# Altium PCB CUBE3RX.PcbDoc
Units mm, origin at the board's own origin, x right, y up, seen from the top; angles counter-clockwise.
Board outline 152.4 x 101.6 mm, 2 copper layers (Top Layer, Bottom Layer); 81 components, 98 nets, 329 pads, 130 vias.
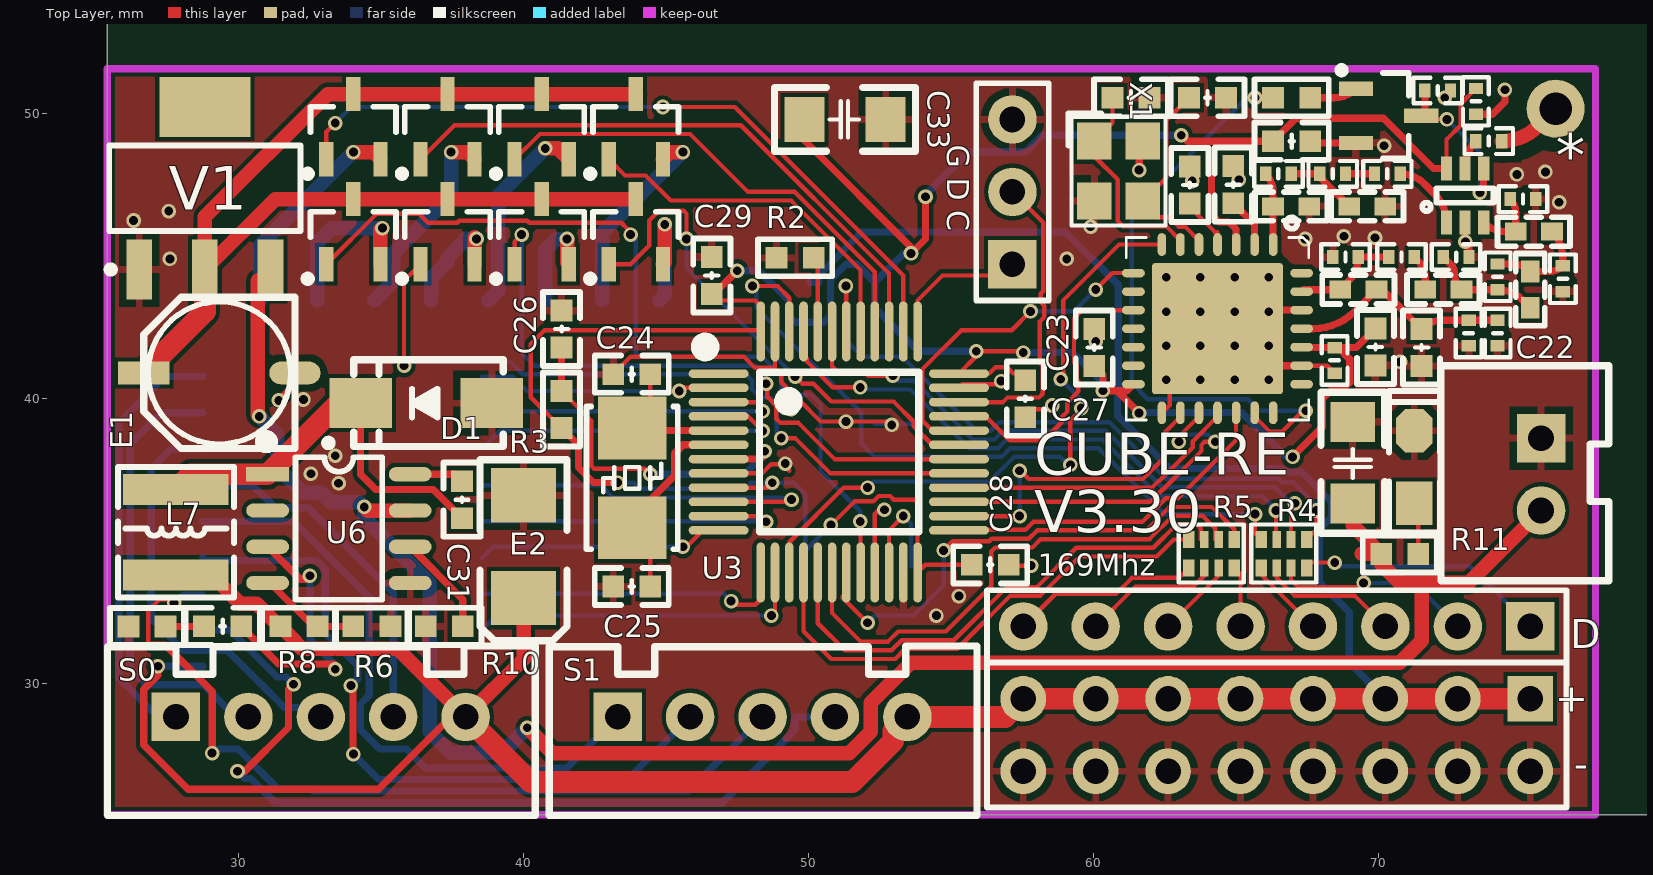
[diagram p0: Top Layer view]
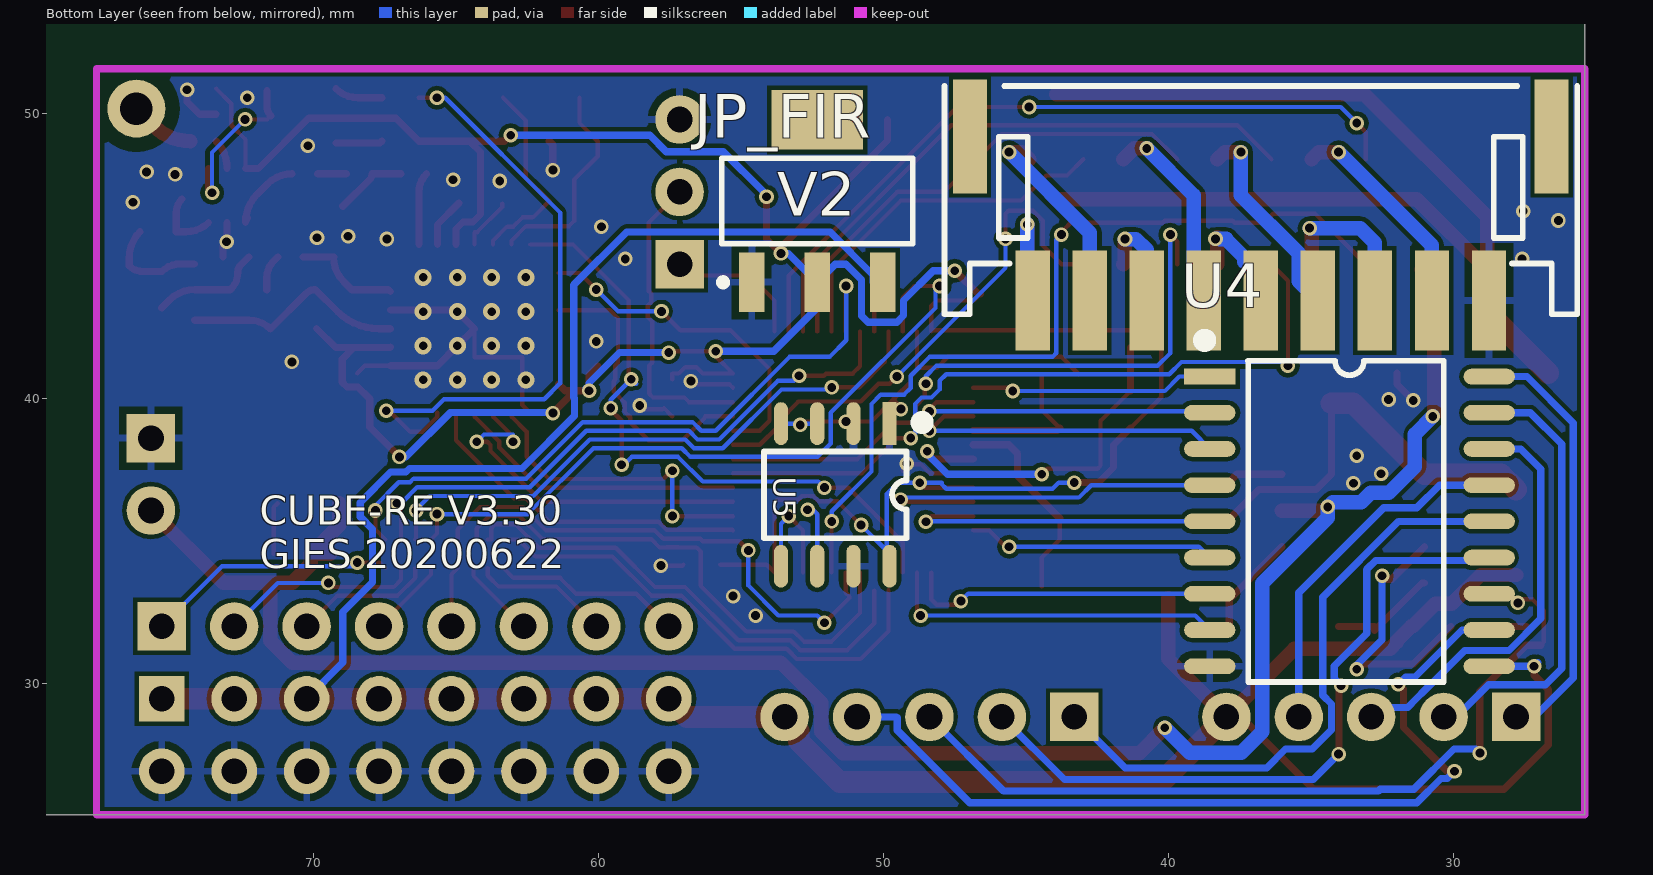
[diagram p1: Bottom Layer view, seen from below]

## Layer stack, top to bottom
Top Solder: solder mask 0.0102, Solder Resist, Dk 3.5
Top Layer: signal copper 0.0356
Dielectric 1: dielectric 0.32, FR-4, Dk 4.8
Bottom Layer: signal copper 0.0356
Bottom Solder: solder mask 0.0102, Solder Resist, Dk 3.5

## Board outline
25.4,25.4 177.8,25.4 177.8,127 25.4,127

## Design rules (kind name [scope] priority, off if disabled: settings)
Clearance Clearance_1 [InPoly vs InNet('NetA_1')] p1: gap=0.508 ignorepadtopadclearanceinfootprint=FALSE
Clearance [All] p2: gap=0.152 ignorepadtopadclearanceinfootprint=FALSE
PolygonConnect PolygonConnect_1 [IsVia] p1: connectstyle=Direct reliefconductorwidth=0.254 reliefentries=4 polygonreliefangle="90 Angle" airgapwidth=0.254
PolygonConnect [All] p2: connectstyle=Relief reliefconductorwidth=0.254 reliefentries=4 polygonreliefangle="90 Angle" airgapwidth=0.254
RoutingVias [All] p1: holewidth=0.711 width=1.27 viastyle="Through Hole" minholewidth=0.711 minwidth=1.27 maxholewidth=0.711 maxwidth=1.27
SolderMaskExpansion [All] p1: expansion=0.102
Width [All] p1: maxlimit=0.762 minlimit=0.152 preferedwidth=0.254 minimp=50.000000 maximp=50.000000 favimp=50.000000
30 further rules are at their usual default settings.

## Components (designator, comment, footprint, x,y, rotation, side; value= is the part's Value field where it differs from the comment)
* "ANT" R100 76.2,50.165 r0 top
C1 "27p" "C 0603_L" 61.312,50.546 r180 top
C2 "27p" "C 0603_L" 63.993,50.546 r180 top
C3 "104" "C 0603_L" 66.944,49.022 r180 top
C4 "104" "C 0603_L" 64.897,47.498 r270 top
C5 "104" "C 0603_L" 63.373,47.483 r270 top
C6 "5.6p" "C 0402_L" 66.479,47.879 r0 top
C7 "12p" "C 0402_L" 68.384,47.879 r0 top
C8 "102" "C 0402_L" 70.3,47.879 r0 top
C9 "102" "C 0402_L" 73.406,50.419 r90 top
C10 "102" "C 0402_L" 73.856,49.022 r0 top
C11 "102" "C 0402_L" 72.067,50.8 r180 top
C12 "27p" "C 0402_L" 75.057,46.99 r180 top
C13 "4.7p" "C 0402_L" 74.168,44.265 r270 top
C14 "27p" "C 0402_L" 70.797,44.958 r180 top
C15 "27p" "C 0402_L" 68.834,44.958 r0 top
C16 "47p" "C 0402_L" 76.454,44.196 r90 top
C17 "47p" "C 0402_L" 72.713,44.958 r180 top
C18 "47p" "C 0402_L" 68.453,41.333 r90 top
C19 "104" "C 0603_L" 69.883,41.804 r90 top
C20 "103" "C 0603_L" 71.501,41.783 r90 top
C21 "221" "C 0402_L" 73.152,42.291 r90 top
C22 "47p" "C 0402_L" 74.168,42.291 r90 top
C23 "104" "C 0603_L" 60.022,41.783 r270 top
C24 "22p" "C 0603_L" 43.8,40.85 r0 top
C25 "22p" "C 0603_L" 43.8,33.401 r180 top
C26 "105" "C 0603_L" 41.339,42.433 r90 top
C27 "104" "C 0603_L" 57.605,39.991 r90 top
C28 "104" "C 0603_L" 56.373,34.163 r180 top
C29 "104" "C 0603_L" 46.609,44.308 r270 top
C30 "221" "C 0603_L" 29.449,32.004 r0 top
C31 "104" "C 0603_L" 37.846,36.449 r90 top
C32 "226/25V" "C 1206_L" 69.088,37.719 r90 top
C33 "47uF/6.3v" "C 1206_L" 51.255,49.784 r0 top
D "HDR-1X8" HDR2.54-LI-8P 66.421,32.004 r180 top (schematic designator SERVO_D)
D1 "SS34" SMA 36.59,39.834 r180 top
E1 "100uF/6.3V" "CM C(5*5.4)" 29.337,40.894 r180 top
E2 "100uF/10V" "CD B(3528)" 40.005,34.798 r90 top
"G D C" "HDR-1X3" HDR2.54-LI-3P 57.15,47.244 r90 top (schematic designator Debug_MCU?)
JP_FIR "HDR-1X9" PH2.0-WS-9P 36.766,49.178 r0 bottom
L1 "82nH" "L 0402" 66.929,46.736 r180 top
L2 "100nH" "L 0402" 69.596,46.736 r180 top
L3 "39nH" "L 0402" 72.263,43.815 r0 top
L4 "39nH" "L 0402" 75.311,43.815 r90 top
L5 "39nH" "L 0402" 75.438,45.847 r180 top
L6 "100nH" "L 0402" 69.284,43.815 r180 top
L7 "22uH" NR4030 27.813,35.306 r270 top
LED "红色" "LED 0805G" 71.247,37.592 r90 top
Power_IN "HDR-1X2" XH2.54-LI-2P 75.692,37.338 r270 top
Q0 "MMBT3904" SOT23-3N 70.347,49.911 r270 top
Q1 "SS8050" SOT23-3N 43.942,45.847 r0 top
Q2 "SS8050" SOT23-3N 43.942,49.53 r0 top
Q3 "SS8050" SOT23-3N 40.64,45.847 r0 top
Q4 "SS8050" SOT23-3N 40.64,49.53 r0 top
Q5 "SS8050" SOT23-3N 37.338,45.847 r0 top
Q6 "SS8050" SOT23-3N 37.338,49.53 r0 top
Q7 "SS8050" SOT23-3N 34.036,45.847 r0 top
Q8 "SS8050" SOT23-3N 34.036,49.53 r0 top
R1 "1K" "R 0603_L" 66.944,50.546 r0 top
R2 "10k" "R 0603_L" 49.53,44.933 r180 top
R3 "10k" "R 0603_L" 41.339,39.609 r270 top
R4 "103" RCA-8P4R-0402 66.671,34.552 r180 top
R5 "103" RCA-8P4R-0402 64.131,34.552 r180 top
R6 "40.2k" "R 0603_L" 34.686,32.004 r180 top
R8 "210k" "R 0603_L" 32.131,32.004 r180 top
R9 "100k" "R 0603_L" 26.797,32.004 r0 top
R10 "100k" "R 0603_L" 37.226,32.004 r180 top
R11 "2k" "R 0603_L" 70.739,34.544 r0 top
S0 "HDR-1X5" XH2.54-LI-5P 32.893,28.829 r0 top (schematic designator STEP02)
S1 "HDR-1X5" XH2.54-LI-5P 48.387,28.829 r0 top (schematic designator STEP01)
SERVO "Header 8X2" HDR2.54-LI-2x8P 66.421,28.194 r180 top
U1 "SX1278" vqfn28_6x6mm 64.344,42.447 r270 top
U2 "RF Switch" SC70-6 73.025,47.117 r90 top value=PE4259
U3 "STM32F103C8" "LQFP48 7X7_M" 51.074,38.121 r270 top
U4 "ULN2803A" SOP18W_N 33.655,35.687 r180 bottom
U5 "24C02" SOP8_L 51.689,36.616 r270 bottom
U6 "MP1584" SOP8_L 33.528,35.433 r0 top
V1 "AMS1117-3V3" SOT223_L 28.829,47.371 r90 top
V2 "AMS1117-3V3" SOT223_L 52.324,46.922 r90 bottom
X1 "32M" "OSC 3225-4P" 60.872,47.972 r270 top
X2 "8MHz" "OSC 5032-2P" 43.815,37.211 r90 top

## Footprints (in the part's own frame and the unit in brackets; to place one, negate y for a bottom-side part, rotate by r counter-clockwise, add the part's x,y. Pads: shape width x height; smd on the part's side, far side on the other; paste and mask are expansions set on the pad)
"C 0402_L" [mm] "无极性贴片电容"
  rect 0.4x0.5 smd: 1(-0.45,0) 2(0.45,0)
  silkscreen extent -0.85,-0.45 0.85,0.45, body extent -0.5,-0.26 0.5,0.26, height 0.53
"C 0603_L" [mil] "无极性贴片电容"
  rect 30x30 smd: 1(-25.59,0) 2(25.59,0)
  silkscreen extent -51,-26 51,26, body extent -31,-16 31,16, height 32
"C 1206_L" [mil] "无极性贴片电容"
  rect 55x62 smd: 1(-55.12,0) 2(57.09,0)
  silkscreen extent -96,-44 98,44, body extent -63,-32 63,32, height 48
"CD B(3528)" [mil] "长3.5mm，宽2.8mm，厚1.9mm"
  rect 75x90 smd: 1(-70.87,-0.01) 2(70.86,-0.01)
  silkscreen extent -130,-60 120,60, body extent -69,-55 69,55, height 75
"CM C(5*5.4)" [mm] "贴片电解电容，直径5mm，高5.4mm"
  rect 1.8x0.8 smd: 1(2.65,0)
  oval 1.8x0.8 smd: 2(-2.65,0)
  silkscreen extent -2.65,-2.65 2.65,2.65, body extent -2.95,-2.65 2.95,2.65, height 5.4
HDR2.54-LI-2x8P [mm] "双排排针，8x2脚"
  rect 1.6x1.6 hole 0.9: 1(-8.89,-1.27)
  round 1.6 hole 0.9: 2(-8.89,1.27) 3(-6.35,-1.27) 4(-6.35,1.27) 5(-3.81,-1.27) 6(-3.81,1.27) 7(-1.27,-1.27) 8(-1.27,1.27) 9(1.27,-1.27) 10(1.27,1.27) 11(3.81,-1.27) 12(3.81,1.27) 13(6.35,-1.27) 14(6.35,1.27) 15(8.89,-1.27) 16(8.89,1.27)
  silkscreen extent -10.16,-2.54 10.16,2.54, body extent -10.16,-2.54 10.16,2.54, height 8.5
HDR2.54-LI-3P [mm] "排针，3脚"
  rect 1.7x1.7 hole 0.9: 1(-2.54,0)
  round 1.7 hole 0.9: 2(0,0) 3(2.54,0)
  silkscreen extent -3.81,-1.27 3.81,1.27, body extent -3.81,-1.27 3.81,1.27, height 8.5
HDR2.54-LI-8P [mm] "排针，8脚"
  rect 1.7x1.7 hole 0.9: 1(-8.89,0)
  round 1.7 hole 0.9: 2(-6.35,0) 3(-3.81,0) 4(-1.27,0) 5(1.27,0) 6(3.81,0) 7(6.35,0) 8(8.89,0)
  silkscreen extent -10.16,-1.27 10.16,1.27, body extent -10.16,-1.27 10.16,1.27, height 8.5
"L 0402" [mil] "小功率贴片电感"
  rect 30x25 smd: 1(-25,0) 2(25,0)
  silkscreen extent -50,-20 50,20, body extent -20,-10 20,10, height 20
"LED 0805G" [mil] "绿色0805LED"
  rect 60x50 smd: 1(-50,0)
  oct 60x50 smd: 2(50,0)
  silkscreen extent -90,-35 105,35, body extent -39,-25 39,25, height 32
"LQFP48 7X7_M" [mm] "48脚，体宽7x7mm，脚距0.5mm"
  oval 0.3x2.1 smd: 1(-2.75,-4.227) 2(-2.25,-4.227) 3(-1.75,-4.227) 4(-1.25,-4.227) 5(-0.75,-4.227) 6(-0.25,-4.227) 7(0.25,-4.227) 8(0.75,-4.227) 9(1.25,-4.227) 10(1.75,-4.227) 11(2.25,-4.227) 12(2.75,-4.227) 25(2.75,4.202) 26(2.25,4.202) 27(1.75,4.202) 28(1.25,4.202) 29(0.75,4.202) 30(0.25,4.202) 31(-0.25,4.202) 32(-0.75,4.202) 33(-1.25,4.202) 34(-1.75,4.202) 35(-2.25,4.202) 36(-2.75,4.202)
  oval 2.1x0.3 smd: 13(4.227,-2.75) 14(4.227,-2.25) 15(4.227,-1.75) 16(4.227,-1.25) 17(4.227,-0.75) 18(4.227,-0.25) 19(4.227,0.25) 20(4.227,0.75) 21(4.227,1.25) 22(4.227,1.75) 23(4.227,2.25) 24(4.227,2.75) 37(-4.227,2.75) 38(-4.227,2.25) 39(-4.227,1.75) 40(-4.227,1.25) 41(-4.227,0.75) 42(-4.227,0.25) 43(-4.227,-0.25) 44(-4.227,-0.75) 45(-4.227,-1.25) 46(-4.227,-1.75) 47(-4.227,-2.25) 48(-4.227,-2.75)
  silkscreen extent -3.93,-4.95 2.79,2.79, body extent -4.5,-4.5 4.5,4.5, height 1.45
NR4030 [mm] "4.0mm*4.0mm*3.0mm(长*宽*高）"
  rect 1.1x3.7 smd: 1(-1.5,0) 2(1.5,0)
  silkscreen extent -2.29,-2.03 2.29,2.03, body extent -2,-2 2,2, height 3.1
"OSC 3225-4P" [mm] "3.2*2.5*0.7mm(长宽高)"
  rect 1.3x1.2 smd: 1(-1.05,-0.85) 2(1.05,-0.85) 3(1.05,0.85) 4(-1.05,0.85)
  silkscreen extent -2.03,-1.75 1.91,1.65, body extent -1.6,-1.25 1.6,1.25, height 0.7
"OSC 5032-2P" [mm] "5mm*3.2mm*0.8mm(长*宽*高)"
  rect 2.2x2.4 smd: 1(-1.75,0) 2(1.75,0)
  silkscreen extent -2.5,-1.6 2.5,1.6, body extent -2.5,-1.6 2.5,1.6, height 0.86
PH2.0-WS-9P [mm] "长：22mm，宽：7.6mm，高：5.5mm"
  rect 1.2x4 smd: 0(-10.2,-0.006) 0(10.2,-0.006)
  rect 1.2x3.5 smd: 1(-8,5.744) 2(-6,5.744) 3(-4,5.744) 4(-2,5.744) 5(0,5.744) 6(2,5.744) 7(4,5.744) 8(6,5.744) 9(8,5.744)
  silkscreen extent -11.1,-1.78 11.1,6.22, body extent -11,-1.65 11,6.95, height 5.55
R100 [mil] "R100探针焊盘"
  round 80 hole 45: 1(0,0)
"R 0603_L" [mil] "1/10W贴片电阻"
  rect 30x30 smd: 1(-25.59,0) 2(25.59,0)
  silkscreen extent -51,-26 51,26, body extent -31,-16 32,16, height 16
RCA-8P4R-0402 [mm] "2mm*1mm*0.45mm(长*宽*厚)"
  rect 0.4x0.6 smd: 1(-0.8,-0.5) 4(0.8,-0.5) 5(0.8,0.5) 8(-0.8,0.5)
  rect 0.3x0.6 smd: 2(-0.25,-0.5) 3(0.25,-0.5) 6(0.25,0.5) 7(-0.25,0.5)
  silkscreen extent -1.14,-1.02 1.15,1.01, body extent -1,-0.5 1,0.5, height 0.45
SC70-6 [mm] "SC70 6-Leads, Body 2.0x1.25mm, Pitch 0.65mm"
  rect 0.85x0.4 smd mask+0.05: 1(-0.95,0.65) 2(-0.95,0) 3(-0.95,-0.65) 4(0.95,-0.65) 5(0.95,0) 6(0.95,0.65)
  silkscreen extent -0.55,-1 0.25,1.5, body extent -0.63,-1 0.63,1, height 1.45
SMA [mm] "4.5x2.6*2.2mm（长宽高，不包括引脚）"
  rect 2.2x1.75 smd: 1(-2.3,0) 2(2.3,0)
  silkscreen extent -2.7,-1.52 3.56,1.52, body extent -2.53,-1.3 2.58,1.3, height 2.15
SOP8_L [mm] "5*6*1.8mm（长宽高）"
  rect 1.5x0.5 smd: 1(-2.5,1.905)
  oval 1.5x0.5 smd: 2(-2.5,0.635) 3(-2.5,-0.635) 4(-2.5,-1.905) 5(2.5,-1.905) 6(2.5,-0.635) 7(2.5,0.635) 8(2.5,1.905)
  silkscreen extent -2.69,-2.5 1.52,3.2, body extent -3,-2.5 3,2.5, height 1.9
SOP18W_N [mm] "11.5*10.3*2.6mm（长宽高）"
  rect 1.8x0.55 smd: 1(-4.9,5.08)
  oval 1.8x0.55 smd: 2(-4.9,3.81) 3(-4.9,2.54) 4(-4.9,1.27) 5(-4.9,0) 6(-4.9,-1.27) 7(-4.9,-2.54) 8(-4.9,-3.81) 9(-4.9,-5.08) 10(4.9,-5.08) 11(4.9,-3.81) 12(4.9,-2.54) 13(4.9,-1.27) 14(4.9,0) 15(4.9,1.27) 16(4.9,2.54) 17(4.9,3.81) 18(4.9,5.08)
  silkscreen extent -5.23,-5.64 3.3,6.5, body extent -5.15,-5.75 5.15,5.75, height 2.7
SOT23-3N [mm] "3x1.3x1mm(长宽高)"
  rect 0.5x1.2 smd: 1(-0.95,-1.143) 2(0.95,-1.143) 3(0,1.143)
  silkscreen extent -1.72,-1.78 1.5,0.7, body extent -1.5,-1.2 1.5,1.2, height 1.05
SOT223_L [mm] "SOT223, 4-Leads, Body 6.5x3.5mm, Pitch 2.3mm, Lead Span 7mm, IPC High Density"
  rect 2.1x0.9 smd: 1(-2.85,2.3) 2(-2.85,0) 3(-2.85,-2.3)
  rect 2.1x3.2 smd: 4(2.85,0)
  silkscreen extent -2.97,-3.35 1.5,3.42, body extent -1.85,-3.35 1.85,3.35, height 1.7
vqfn28_6x6mm [mm] "28 Leads, Body 6.0x6.0mm, Pitch 0.65mm, VQFN28"
  oval 0.8x0.3 smd mask+0.05: 1(-2.95,1.95) 2(-2.95,1.3) 3(-2.95,0.65) 4(-2.95,0) 5(-2.95,-0.65) 6(-2.95,-1.3) 7(-2.95,-1.95) 15(2.95,-1.95) 16(2.95,-1.3) 17(2.95,-0.65) 18(2.95,0) 19(2.95,0.65) 20(2.95,1.3) 21(2.95,1.95)
  oval 0.3x0.8 smd mask+0.05: 8(-1.95,-2.95) 9(-1.3,-2.95) 10(-0.65,-2.95) 11(0,-2.95) 12(0.65,-2.95) 13(1.3,-2.95) 14(1.95,-2.95) 22(1.95,2.95) 23(1.3,2.95) 24(0.65,2.95) 25(0,2.95) 26(-0.65,2.95) 27(-1.3,2.95) 28(-1.95,2.95)
  rrect5% 4.6x4.6 smd paste-3.3 mask+0.05: 29(0,0)
  Mechanical 15 keep-out lines w0.1: 3.5,-3.5 3.5,3.5 -3.5,3.5 -3.5,-3.5 3.5,-3.5
  silkscreen extent -3.9,-3.2 3.2,3.2, body extent -3,-3 3,3, height 1
XH2.54-LI-2P [mm] "接插件，2P"
  rect 1.7x1.7 hole 0.9: 1(-1.27,0)
  round 1.7 hole 0.9: 2(1.27,0)
  silkscreen extent -3.81,-3.51 3.74,2.37, body extent -3.77,-3.3 3.77,2.4, height 7.05
XH2.54-LI-5P [mm] "接插件，5P"
  rect 1.7x1.7 hole 0.9: 1(-5.08,0)
  round 1.7 hole 0.9: 2(-2.54,0) 3(0,0) 4(2.54,0) 5(5.08,0)
  silkscreen extent -7.48,-3.45 7.52,2.49, body extent -7.58,-3.3 7.58,2.4, height 7.03

## Part data
*: library part CS, "探针焊盘"
C1 C2 C3 C4 C5 C6 C7 C8 C9 C10 C11 C12 C13 C14 C15 C16 C17 C18 C19 C20 C21 C22 C23 C24 C25 C26 C27 C28 C29 C30 C31 C32 C33: library part C, "无极性贴片电容"
D: library part "Header 8", "8P接插件", BOM名称=8, 学习资源=www.o
D1: library part SS14, "肖特基二极管"
E1: library part C-CM, "贴片电解电容"
E2: library part C-CD, "贴片钽电容"
"G D C": library part "Header 3", "3P接插件", BOM名称=3, 学习资源=www.o
JP_FIR: library part "Header 9", "9P接插件", BOM名称=9, 学习资源=www.o
L1 L2 L3 L4 L5 L6: library part L, "小功率贴片电感"
L7: library part L-NR, "NR磁胶电感"
LED: library part LED-SMD, "贴片LED", 学习资源=www.o
Power_IN: library part "Header 2", "2P接插件", BOM名称=2, 学习资源=www.o
Q0 Q1 Q2 Q3 Q4 Q5 Q6 Q7 Q8: library part 8050-SMD, "高频放大-NPN型", BOM名称=¸, 学习资源=www.o, 属性="40V 1.5A 1W 100"
R1 R2 R3 R6 R8 R9 R10 R11: library part R, "贴片电阻"
R4 R5: library part R-8P4R, "贴片网络排阻"
S0 S1: library part "Header 5", "5P接插件", BOM名称=5, 学习资源=www.o
SERVO: "8*2P接插件"
U1: library part SX1276, "SX1276 - Low Power Integrated UHF Transceiver with loRa Modem", LatestRevisionDate="27-Jul-2009 -  Semtech"
U2: library part "PE4259 RF Switch", "PE4259 Peregrine RF Switch", LatestRevisionDate="03-Sep-2012 -  Semtech"
U3: "Flaah:64/RAM:20/IO:36", BOM名称=32λ, 学习资源=www.o
U4: "Eight Darlington Array", DatasheetDocument=Sep-1997, LatestRevisionDate=17-Jul-2002, LatestRevisionNote="Re-released for DXP Platform.", PackageReference=DIP18, Published=8-Jun-2000, Publisher="Altium Limited"
U5: library part 24Cxx, "外置EEPROM", BOM名称=Í, 学习资源=www.o
V1 V2: library part AMS1117, "三端稳压芯片", 学习资源=www.o
X1: library part XTAL-4P, "4脚无源晶振", BOM名称=4, 学习资源=www.o
X2: library part XTAL-2P, "2脚无源脚晶振", BOM名称=2, 学习资源=www.o

## Via types
v1: diameter 0.51, hole 0.31, Top Layer to Bottom Layer, 114 vias
v2: diameter 0.6, hole 0.3, Top Layer to Bottom Layer, tented top, 16 vias

## Nets (pads, with @x,y where several pads share a name; then routed paths per layer and width w, separated by ;. In a path a pad name is that pad's centre, name@x,y a point inside that pad or via, vN(x,y) a via of type N, cw(c..) or ccw(c..) an arc to the next point about the centre after c; other vN are vias at no path point)
DIO0_sx: U1.8 U3.32 | length 12
  Top Layer w0.152: U3.32 54.34,38.871 53.997,39.214 53.997,41.028 55.362,42.393 57.125,42.393 v1(57.785,43.053) ; v1(60.071,43.815) 60.653,44.397 U1.8
  Bottom Layer w0.152: v1(57.785,43.053) 59.309,43.053 v1(60.071,43.815)
DIO1_sx: U1.9
DIO2_sx: U1.10 U3.33 | length 10.4
  Top Layer w0.152: U3.33 56.26,39.371 56.26,39.322 57.053,38.529 58.239,38.529 58.877,39.167 58.877,39.341 59.079,39.543 59.079,39.86 59.462,40.243 59.462,40.607 59.412,40.657 59.412,41.144 59.309,41.247 59.309,42.805 59.601,43.097 U1.10
DIO3_sx: U1.11
DIO4_sx: U1.12
GND: "G D C.3" C1.1 C2.1 C3.1 C4.1 C5.1 C9.1 C11.1 C12.1 C15.1 C16.1 C17.1 C18.1 C19.1 C20.1 C21.1 C22.1 C23.1 C24.1 C25.2 C26.2 C27.1 C28.1 C29.1 C32.2 C33.2 D1.1 E1.2 E2.2 JP_FIR.1 L1.1 L2.1 LED.2 Power_IN.1 Q0.2 R2.2 R6.1 R9.1 R10.2 SERVO.2 SERVO.4 SERVO.6 SERVO.8 SERVO.10 SERVO.12 SERVO.14 SERVO.16 U1.15 U1.23 U1.26 U1.29 U2.2 U3.8 U3.23 U3.35 U3.47 U4.9 U5.1 U5.2 U5.3 U5.4 U5.7 U6.5 V1.1 V2.1 X1.2 X1.4 | length 40.5
  Top Layer w0.152: C24.1 43.76,41.46 47.735,41.46 48.126,41.069 48.769,41.069 48.824,41.014 ; U3.8 48.371,37.371 48.695,37.695 49.095,37.695 49.324,37.466 ; U3.47 48.824,41.014 ; v1(52.918,39.069) 52.798,39.189 v1(51.314,39.189) 50.424,39.189 49.697,39.916 49.657,39.877 49.404,39.624 v1(49.388,39.624) 49.388,39.7 49.584,39.896 49.657,39.969 49.343,40.283 49.33,40.283 49.046,40.567 49.046,40.792 48.824,41.014 ; U3.35 55.397,40.492 56.641,40.492 v1(56.756,40.607) ; C28.1 57.05,34.136 v1(57.806,34.136) ; C27.1@57.404,39.37 57.698,39.664 57.745,39.617 58.413,39.617 v1(58.547,39.751) ; U1.15 62.665,39.768 62.665,41.447 64.344,41.447 U1.29 ; U1.23 68.189,41.147 C18.1
  Top Layer w0.254: v1(31.42,39.929) 31.987,40.497 E1.2 ; v1(61.595,48.006) 61.595,48.895 X1.4 ; U1.23 65.644,41.147 v2(64.944,41.847) U1.29 v2(64.944,43.047) 64.994,43.097 U1.26 ; C3.1 67.655,48.961 Q0.2 ; U2.2 73.025,45.505 73.163,45.367 C17.1 ; C9.1 73.986,49.969 74.424,50.407 v1(74.424,50.825)
  Bottom Layer w0.152: U5.3 U5.4
  other v1: 54.483,32.385 55.276,33.066 33.516,37.024 32.544,37.358 49.18,37.715 33.401,37.991 32.286,39.961 70.75,41.281 60.071,41.999 27.603,44.892 59.055,44.892 73.036,45.494 67.416,45.59 69.868,45.636 68.779,45.685 59.895,46.018 26.327,46.24 27.559,46.569 76.325,46.877 63.458,47.625 65.096,47.667 74.842,47.855 75.843,47.943 70.185,48.863 72.314,50.546
  other v2: 62.544,40.647 63.744,40.647 64.944,40.647 66.144,40.647 62.544,41.847 63.744,41.847 66.144,41.847 62.544,43.047 63.744,43.047 66.144,43.047 62.544,44.247 63.744,44.247 64.944,44.247 66.144,44.247
HVRT0: Q2.1 U3.41 | length 12.6
  Top Layer w0.152: Q2.1 43.56,47.819 44.287,47.819 45.166,46.939 49.388,46.939 51.824,44.503 U3.41
HVRT1: Q4.1 U3.40 | length 17.1
  Top Layer w0.152: Q4.1 40.579,49.276 45.847,49.276 47.879,47.244 49.514,47.244 52.324,44.434 U3.40
HVRT2: Q6.1 U3.39 | length 21.1
  Top Layer w0.152: Q6.1 37.582,49.581 47.622,49.581 52.824,44.379 U3.39
HVRT3: Q8.1 U3.38 | length 26
  Top Layer w0.152: Q8.1 33.086,49.342 v1(33.401,49.657) ; v1(44.892,50.221) 47.413,50.221 53.324,44.31 U3.38
  Bottom Layer w0.152: v1(33.401,49.657) 33.965,50.221 v1(44.892,50.221)
HVRT4: Q7.1 U3.20 | length 29.7
  Top Layer w0.152: Q7.1 34.864,46.482 36.331,46.482 36.652,46.161 37.683,46.161 37.751,46.23 40.138,46.23 40.206,46.161 43.435,46.161 v1@43.669,45.927 ; v1(51.816,35.687) 51.824,35.679 U3.20
  Bottom Layer w0.152: v1(43.757,45.746) 43.937,45.566 43.937,41.589 44.071,41.455 48.383,41.455 49.043,40.795 49.043,40.365 49.276,40.132 50.091,40.132 50.419,39.804 50.419,37.436 51.816,36.039 v1@51.816,35.814
HVRT5: Q5.1 U3.29 | length 25.8
  Top Layer w0.152: v1(35.814,41.148) 35.814,44.13 Q5.1 ; v1(49.043,38.608) 49.53,38.608 50.767,37.371 U3.29
  Bottom Layer w0.152: v1@35.941,41.021 35.941,41.275 39.545,41.275 39.974,40.846 47.8,40.846 48.03,40.616 48.03,40.313 48.314,40.029 48.666,40.029 48.89,39.805 48.89,38.761 v1(49.043,38.608)
HVRT6: Q3.1 U3.30 | length 23
  Top Layer w0.152: Q3.1 39.69,45.499 v1(39.937,45.746) ; v1@48.555,40.64 48.555,40.029 48.587,40.029 48.871,39.746 48.871,39.288 49.019,39.14 49.645,39.14 50.915,37.871 U3.30
  Bottom Layer w0.152: v1(39.937,45.746) 39.937,41.589 40.376,41.151 48.137,41.151 48.514,40.774 v1(48.514,40.513)
HVRT7: Q1.1 U3.31 | length 18.6
  Top Layer w0.152: Q1.1@42.809,44.521 Q1.1 43.757,44.704 44.413,45.36 44.413,46.24 44.758,46.585 45.617,46.585 45.72,46.482 v1(45.72,45.593) ; v1@49.425,40.872 v1(49.53,40.767) 49.784,40.513 50.176,40.513 50.8,39.889 52.984,39.889 53.692,39.181 53.692,39.019 54.34,38.371 U3.31
  Bottom Layer w0.152: v1(45.72,45.593) 45.72,44.577 v1(49.53,40.767)
MISO_sx: U1.17 U3.27 | length 13
  Top Layer w0.152: U3.27 61.974,36.371 62.403,36.8 62.426,36.8 63.78,38.154 63.78,38.367 63.894,38.481 v1(64.262,38.481) ; v1(62.992,38.481) 62.992,38.556 62.94,38.608 63.694,39.362 U1.17
  Bottom Layer w0.152: v1(62.992,38.481) 62.992,38.735 64.008,38.735 v1(64.262,38.481)
MOSI_sx: U1.18 U3.28 | length 10.4
  Top Layer w0.152: U3.28 62.043,36.871 62.276,37.105 62.3,37.105 63.476,38.281 63.476,38.493 64.344,39.362 U1.18
NetA_1: *.1 C10.2 | length 2.3
  Top Layer w0.254: *.1@75.588,49.553 *.1
  Top Layer w0.508: C10.2 ccw(c74.306,50.835) *.1@75.588,49.553
NetC1_2: C1.2 U1.6 X1.1 | length 7.5
  Top Layer w0.152: C1.2 60.662,49.662 X1.1 60.022,48.495 60.851,47.667 60.851,46.22 61.027,46.043 62.533,46.043 63.044,45.532 U1.6
NetC2_2: C2.2 U1.5 X1.3 | length 7
  Top Layer w0.152: C2.2 62.551,49.754 62.551,47.751 X1.3 62.296,46.348 62.659,46.348 62.982,46.026 63.201,46.026 63.694,45.532 U1.5
NetC4_2: C4.2 U1.2 | length 1.8
  Top Layer w0.254: C4.2 65.644,46.101 U1.2
NetC5_2: C5.2 U1.4 | length 1.9
  Top Layer w0.152: C5.2 63.373,46.712 64.253,45.832 64.344,45.832 U1.4
NetC6_1: C6.1 L1.2 U1.1 | length 2.6
  Top Layer w0.254: C6.1 cw(c65.39,47.24) 66.294,47.24 L1.2 U1.1
NetC6_2: C6.2 C7.1 L2.2 | length 2.6
  Top Layer w0.254: C6.2 C7.1 ccw(c68.215,47.879) 68.016,47.681 L2.2
NetC7_2: C7.2 C8.1 | length 1
  Top Layer w0.254: C7.2 C8.1
NetC8_2: C8.2 U2.1 | length 2.7
  Top Layer w0.254: C8.2 cw(c70.75,46.679) 71.599,47.527 71.962,47.164 cw(c70.965,46.167) U2.1 ccw(c72.165,46.167) U2.1@72.314,46.315
NetC10_1: C10.1 U2.5 | length 1.1
  Top Layer w0.254: U2.5 73.025,48.102 cw(c74.326,48.102) C10.1
NetC12_2: C12.2 L5.2 U2.3 | length 2.4
  Top Layer w0.254: U2.3 ccw(c74.448,46.94) 74.448,45.847 L5.2 74.803,46.517 ccw(c74.134,46.517) C12.2
NetC13_1: C13.1 C16.2 L4.2 L5.1 | length 3.7
  Top Layer w0.254: C13.1 74.671,44.715 cw(c74.671,43.81) L4.2 75.981,44.45 ccw(c75.981,45.119) C16.2 76.454,44.927 ccw(c75.153,44.927) L5.1
NetC13_2: C13.2 C17.2 L3.2 L4.1 | length 4
  Top Layer w0.254: C17.2 72.543,44.678 cw(c72.299,44.434) 72.644,44.434 72.644,44.428 ccw(c73.511,44.428) L3.2 C13.2 cw(c74.168,42.589) 75.035,43.456 L4.1
NetC14_1: C14.1 L3.1 | length 1.3
  Top Layer w0.254: C14.1 71.395,44.81 cw(c70.831,44.247) 71.628,44.247 L3.1
NetC14_2: C14.2 C15.2 L6.2 U1.27 | length 3.8
  Top Layer w0.254: U1.27 67.362,43.815 L6.2 68.925,44.091 ccw(c68.058,44.958) C15.2 C14.2
NetC20_2: C20.2 C21.2 C22.2 L6.1 U1.25 | length 8
  Top Layer w0.254: U1.25 67.704,42.447 ccw(c67.704,44.496) 69.152,43.047 69.919,43.814 L6.1 cw(c69.919,43.332) 70.26,43.674 C20.2 cw(c72.245,41.689) 72.245,42.741 C21.2 C22.2
NetC24_2: C24.2 U3.5 X2.2 | length 5.2
  Top Layer w0.152: X2.2 44.45,39.596 C24.2
  Top Layer w0.254: X2.2 43.905,38.871 U3.5
NetC25_1: C25.1 U3.6 X2.1 | length 7.2
  Top Layer w0.152: X2.1@43.815,35.799 X2.1 43.815,35.052 44.45,34.417 C25.1
  Top Layer w0.254: X2.1@43.815,35.799 45.294,37.278 45.294,38.055 45.61,38.371 U3.6
NetC26_1: C26.1 R3.1 U3.7 | length 12.9
  Top Layer w0.152: R3.1 42.386,39.211 42.386,37.632 42.488,37.531 44.257,37.531 v1(44.45,37.338)
  Top Layer w0.254: R3.1 C26.1 ; U3.7 48.33,37.871 v1@48.514,38.055
  Bottom Layer w0.254: v1(44.45,37.338) 47.752,37.338 48.465,38.051 v1(48.465,38.149)
NetC30_1: C30.1 R9.2 | length 1.4
  Top Layer w0.254: R9.2 C30.1
NetC30_2: C30.2 U6.3 | length 9.8
  Top Layer w0.254: C30.2 31.42,30.683 33.364,30.683 33.364,30.39 33.401,30.428 v1(33.401,30.499) ; U6.3 32.171,33.655 v1@32.512,33.655
  Bottom Layer w0.254: v1(32.512,33.782) 32.512,31.535 33.401,30.646 v1(33.401,30.499)
NetC31_1: C31.1 D1.2 L7.1 U6.1 | length 14.4
  Top Layer w0.254: D1.2 34.29,37.338 34.822,36.806 36.839,36.806 C31.1
  Top Layer w0.762: L7.1 28.345,37.338 U6.1 33.524,39.834 D1.2
NetC31_2: C31.2 U6.8 | length 1.9
  Top Layer w0.254: U6.8 37.607,37.338 C31.2
NetE1_1: E1.1 Q1.3 Q2.3 Q3.3 Q4.3 Q5.3 Q6.3 Q7.3 Q8.3 V1.2 | length 39.4
  Top Layer w0.508: Q1.3 Q3.3 Q5.3 Q7.3 31.298,46.99 V1.2 28.829,46.37 33.132,50.673 Q8.3 Q6.3 Q4.3 Q2.3
  Top Layer w0.762: E1.1 28.829,43.036 V1.2
NetJP_FIR_2: JP_FIR.2 Q8.2 | length 7.6
  Top Layer w0.508: v1(34.036,48.641) 34.732,48.641 Q8.2
  Bottom Layer w0.508: JP_FIR.2 30.766,45.371 v1(34.036,48.641)
NetJP_FIR_3: JP_FIR.3 Q7.2 | length 5.8
  Top Layer w0.508: Q7.2 34.986,45.908 v1(35.052,45.974)
  Bottom Layer w0.508: JP_FIR.3 32.766,45.466 33.274,45.974 v1(35.052,45.974)
NetJP_FIR_4: JP_FIR.4 Q6.2 | length 7.3
  Top Layer w0.508: v1(37.465,48.641) 38.034,48.641 Q6.2
  Bottom Layer w0.508: JP_FIR.4 35.433,44.101 35.433,45.085 37.465,47.117 v1(37.465,48.641)
NetJP_FIR_5: JP_FIR.5 Q5.2 | length 4.3
  Top Layer w0.508: Q5.2 38.288,45.659 v1(38.354,45.593)
  Bottom Layer w0.508: JP_FIR.5 36.766,44.217 37.338,44.789 37.338,44.931 37.998,45.59 ; v1@38.197,45.59 37.998,45.59 ; v1(38.354,45.593) 37.973,45.593 37.976,45.59 37.998,45.59
NetJP_FIR_6: JP_FIR.6 Q4.2 | length 7.1
  Top Layer w0.508: v1(40.767,48.768) 41.209,48.768 Q4.2
  Bottom Layer w0.508: JP_FIR.6 39.116,43.784 39.116,47.117 v1(40.767,48.768)
NetJP_FIR_7: JP_FIR.7 Q3.2 | length 3.6
  Top Layer w0.508: v1(41.529,45.59) 41.529,44.765 Q3.2
  Bottom Layer w0.508: JP_FIR.7 40.766,45.211 41.145,45.59 v1(41.529,45.59)
NetJP_FIR_8: JP_FIR.8 Q2.2 | length 7.2
  Top Layer w0.508: Q2.2 45.146,48.641 v1(45.593,48.641)
  Bottom Layer w0.508: JP_FIR.8 42.766,45.814 v1(45.593,48.641)
NetJP_FIR_9: JP_FIR.9 Q1.2 | length 4.2
  Top Layer w0.508: Q1.2 44.958,44.77 v1(44.958,46.101)
  Bottom Layer w0.508: JP_FIR.9 44.958,43.626 v1(44.958,46.101)
NetLED_1: LED.1 R11.2 | length 1.8
  Top Layer w0.152: LED.1 71.389,36.18 R11.2
NetQ0_1: Q0.1 R1.2 | length 1.7
  Top Layer w0.254: R1.2 68.444,50.546 ccw(c68.444,51.621) Q0.1
NetR1_1: R1.1 U1.20 | length 21.5
  Top Layer w0.152: U1.20 65.644,39.362 66.18,38.825 66.6,38.825 v1@67.391,39.617 ; v1(65.659,50.546) R1.1
  Bottom Layer w0.152: v1(65.659,50.546) 65.371,50.546 61.341,46.516 61.341,40.528 61.899,39.97 65.414,39.97 65.819,39.565 v1(67.437,39.565)
NetR2_1: R2.1 U3.44 | length 2.6
  Top Layer w0.152: R2.1 50.324,44.789 U3.44
NetR4_1: R4.1 U3.42 | length 24
  Top Layer w0.152: v1(51.308,43.942) 51.324,43.926 U3.42 ; R4.1 67.818,35.399 v1(67.818,36.068)
  Bottom Layer w0.152: v1(51.308,43.942) 51.308,42.037 51.89,41.455 53.294,41.455 55.886,38.863 56.394,38.863 56.699,39.168 60.55,39.168 62.53,37.188 66.479,37.188 66.607,37.06 67.002,37.06 67.818,36.244 v1(67.818,36.068)
NetR4_2: R4.2 U3.43 | length 21
  Top Layer w0.152: U3.43 50.824,41.128 51.082,40.87 52.016,40.87 52.091,40.795 v1(52.959,40.795) ; R4.2 66.921,36.187 v1(67.056,36.322)
  Bottom Layer w0.152: v1(52.959,40.795) 53.138,40.616 53.702,40.616 55.76,38.558 56.52,38.558 56.825,38.863 60.424,38.863 62.406,36.881 66.355,36.881 66.914,36.322 v1(67.056,36.322)
NetR4_3: R4.3 U3.45 | length 21
  Top Layer w0.152: U3.45 49.824,41.519 49.945,41.398 49.945,41.291 50.85,40.386 v1(51.816,40.386) ; v1(66.394,36.068) 66.394,35.079 R4.3
  Bottom Layer w0.152: v1(51.816,40.386) 51.891,40.311 53.575,40.311 55.633,38.253 56.646,38.253 56.951,38.558 60.298,38.558 62.28,36.576 65.913,36.576 66.394,36.095 v1(66.394,36.068)
NetR4_4: R4.4 U3.46 | length 25.9
  Top Layer w0.152: v1(48.03,43.942) 48.916,43.942 49.324,43.534 U3.46 ; v1(65.659,35.941) 65.659,35.264 R4.4
  Bottom Layer w0.152: v1(48.03,43.942) 48.176,43.942 48.176,43.171 51.845,39.501 51.845,38.418 52.315,37.949 56.773,37.949 57.077,38.253 60.172,38.253 62.484,35.941 v1(65.659,35.941)
NetR4_5: D.4 R4.5 | length 2.8
  Top Layer w0.152: R4.5 65.871,33.824 D.4
NetR4_6: D.3 R4.6 | length 4.9
  Top Layer w0.152: R4.6 66.421,33.705 67.043,33.083 69.152,33.083 D.3
NetR4_7: D.2 R4.7 | length 7.1
  Top Layer w0.152: R4.7 66.921,33.636 67.17,33.387 v1@69.582,33.387
  Bottom Layer w0.152: v1(69.469,33.528) 71.247,33.528 D.2
NetR4_8: D.1 R4.8 | length 8.7
  Top Layer w0.152: R4.8 67.662,34.243 v1(68.453,34.243)
  Bottom Layer w0.152: v1@68.58,34.116 73.199,34.116 D.1
NetR5_5: D.8 R5.5 | length 6.6
  Top Layer w0.152: D.8 58.674,33.147 60.783,33.147 61.342,33.706 62.985,33.706 R5.5
NetR5_6: D.7 R5.6 | length 4.8
  Top Layer w0.152: D.7 61.468,33.401 63.503,33.401 63.881,33.779 R5.6
NetR5_7: D.6 R5.7 | length 2.8
  Top Layer w0.152: D.6 64.381,33.774 R5.7
NetR5_8: D.5 R5.8 | length 2.1
  Top Layer w0.152: R5.8 65.151,33.832 D.5
NetR6_2: R6.2 R8.1 U6.4 | length 3.8
  Top Layer w0.254: U6.4 31.114,33.528 32.781,31.861 R8.1 R6.2
NetR7_2: 
NetR10_1: R10.1 U6.6 | length 3.6
  Top Layer w0.254: U6.6 37.876,32.95 R10.1
NetSTEP01_1: S1.1 U4.14 | length 22
  Bottom Layer w0.254: U4.14 31.937,35.687 34.596,33.029 34.596,29.589 34.29,29.283 34.29,28.375 34.965,27.7 35.901,27.7 36.561,27.039 41.517,27.039 S1.1
NetSTEP01_2: S1.2 U4.13 | length 24.7
  Top Layer w0.254: v1(33.948,29.929) 34.022,29.855 34.022,27.539 v1(34.036,27.526)
  Bottom Layer w0.254: U4.13 28.856,34.316 32.733,34.316 33.046,34.003 33.046,31.756 34.189,30.613 34.189,30.171 v1(33.948,29.929) ; v1@34.002,27.559 34.928,26.633 43.651,26.633 S1.2
NetSTEP01_3: S1.3 U4.12 | length 29.4
  Top Layer w0.152: 26.95,31.344 26.837,31.456 26.837,32.552 27.235,32.95 v1@27.686,32.95
  Top Layer w0.254: 26.95,31.344 27.457,31.344 29.083,29.718 v1(29.083,27.559)
  Bottom Layer w0.152: v1(27.746,32.83) 28.064,33.147 U4.12
  Bottom Layer w0.254: v1(29.083,27.559) 29.224,27.7 29.989,27.7 31.399,26.289 32.586,26.289 32.648,26.226 45.784,26.226 S1.3
NetSTEP01_4: S1.4 U4.11 | length 30.9
  Top Layer w0.254: v1(29.972,26.924) 30.226,26.924 31.764,28.462 31.764,29.798 v1(31.937,29.972)
  Bottom Layer w0.254: U4.11 29.707,31.877 31.358,30.226 31.683,30.226 v1(31.937,29.972) ; v1(29.972,26.924) 30.226,26.67 30.443,26.67 31.293,25.82 46.975,25.82 49.516,28.361 49.516,28.8 49.545,28.829 S1.4
NetSTEP02_1: S0.1 U4.18 | length 15.1
  Bottom Layer w0.254: S0.1 27.173,28.829 25.806,30.196 25.806,39.141 27.432,40.767 U4.18
NetSTEP02_2: S0.2 U4.17 | length 15.7
  Bottom Layer w0.254: U4.17 27.311,39.497 26.213,38.399 26.213,30.524 26.778,29.958 28.779,29.958 29.879,28.858 29.954,28.858 29.983,28.829 S0.2
NetSTEP02_3: S0.3 U4.16 | length 14.9
  Bottom Layer w0.254: U4.16 27.65,38.227 26.943,37.521 26.943,32.28 28.062,31.161 29.61,31.161 30.813,29.958 30.821,29.958 31.482,29.297 31.482,29.289 31.612,29.159 32.893,29.159 S0.3
NetSTEP02_4: S0.4 U4.15 | length 12.6
  Bottom Layer w0.254: U4.15 30.501,36.957 31.295,36.163 32.451,36.163 35.433,33.181 S0.4
NetU3_10: U3.10 U4.4 | length 13.7
  Top Layer w0.152: U3.10 v1@49.53,36.371
  Bottom Layer w0.152: U4.4 42.713,36.957 43.145,36.525 49.327,36.525 v1(49.403,36.449)
NetU3_11: U3.11 U4.5 | length 11.7
  Top Layer w0.152: U3.11 48.317,35.871 v1(48.514,35.674)
  Bottom Layer w0.152: U4.5 48.501,35.687 v1(48.514,35.674)
NetU3_12: U3.12 U4.6 | length 8.6
  Top Layer w0.152: v1@45.72,34.798 46.293,35.371 U3.12
  Bottom Layer w0.152: U4.6 38.936,34.798 v1(45.593,34.798)
NetU3_13: U3.13 U4.7 | length 10.8
  Top Layer w0.152: v1@47.371,32.766 48.133,32.766 48.324,32.957 U3.13
  Bottom Layer w0.152: U4.7 47.032,33.147 v1(47.286,32.893)
NetU3_14: U3.14 U4.8 | length 12
  Top Layer w0.152: v1@48.824,32.258 U3.14
  Bottom Layer w0.152: U4.8 39.063,32.385 v1(48.697,32.385)
NetU3_21: U3.21 U5.6 | length 4.7
  Top Layer w0.152: U3.21 52.324,35.941 52.478,36.095 v1(52.662,36.095)
  Bottom Layer w0.152: U5.6 52.324,35.941 52.478,36.095 v1(52.662,36.095)
NetU3_22: U3.22 U5.5 | length 4.1
  Top Layer w0.152: U3.22 52.824,35.371 v1(53.324,35.871)
  Bottom Layer w0.152: v1(53.324,35.871) 53.594,35.601 U5.5
NRESET_sx: U1.7 U3.15 | length 22.9
  Top Layer w0.152: U3.15 49.324,34.958 51.237,36.871 v1(52.07,36.871) ; v1(58.847,40.671) 58.928,40.752 58.928,43.434 60.891,45.397 U1.7 ; v1(59.182,37.672) 59.182,39.215 v1@59.563,39.596
  Bottom Layer w0.152: v1(52.07,36.871) 52.283,37.084 56.339,37.084 57.204,37.949 58.825,37.949 v1@59.182,37.592 ; v1@58.674,40.513 59.004,40.513 59.563,39.954 v1(59.563,39.66)
NSS_sx: U1.19 U3.25 | length 12
  Top Layer w0.152: U3.25 55.292,35.387 57.604,35.387 57.893,35.676 61.71,35.676 62.529,36.495 62.96,36.495 64.994,38.529 U1.19
RXTX: C11.2 Q0.3 U2.4 | length 5.8
  Top Layer w0.152: Q0.3 71.617,49.784 v1(72.39,49.784)
  Top Layer w0.254: Q0.3 ccw(c71.183,50.218) 71.617,50.218 C11.2 ; v1@73.533,47.244 73.675,47.386 U2.4
  Bottom Layer w0.152: v1(72.39,49.784) 73.548,48.626 v1(73.548,47.212)
S00: U3.2 U4.1 | length 8.6
  Top Layer w0.152: v1@45.354,40.371 U3.2
  Bottom Layer w0.152: U4.1 39.622,40.767 40.13,40.259 v1(45.466,40.259)
S01: U3.3 U4.2 | length 11.6
  Top Layer w0.152: U3.3 48.14,39.871 48.387,39.624 v1(48.387,39.546)
  Bottom Layer w0.152: U4.2 38.682,39.624 38.76,39.546 v1(48.387,39.546)
S02: U3.4 U4.3 | length 11.8
  Top Layer w0.152: U3.4 47.878,39.371 47.903,39.346 v1(48.387,38.862)
  Bottom Layer w0.152: U4.3 39.19,38.862 v1(48.387,38.862)
S4: R5.1 U3.19 | length 18.1
  Top Layer w0.152: U3.19 51.324,33.187 51.203,33.066 51.203,32.998 v1(52.07,32.131) ; v1(54.737,34.671) 55.058,34.992 56.336,34.992 56.421,35.077 57.076,35.077 57.077,35.078 57.726,35.078 58.019,35.371 61.836,35.371 62.655,36.19 64.15,36.19 64.931,35.409 R5.1
  Bottom Layer w0.152: v1(52.07,32.131) 52.324,32.385 53.687,32.385 54.737,33.435 v1(54.737,34.671)
S5: R5.2 U3.18 | length 18.5
  Top Layer w0.152: U3.18 50.824,32.474 51.827,31.471 52.787,31.471 53.143,31.826 54.813,31.826 56.413,33.426 56.413,34.639 56.547,34.773 57.203,34.773 57.204,34.774 57.604,34.774 57.605,34.773 57.852,34.773 58.145,35.066 61.962,35.066 62.781,35.885 63.821,35.885 64.26,35.447 64.26,35.052 R5.2
S6: R5.3 U3.17 | length 17.4
  Top Layer w0.152: U3.17@50.324,33.249 50.324,32.117 51.275,31.166 52.913,31.166 53.269,31.521 55.092,31.521 56.958,33.387 58.012,33.387 59.386,34.761 62.088,34.761 62.908,35.581 63.626,35.581 63.76,35.447 63.76,35.052 R5.3
S7: R5.4 U3.16 | length 17.1
  Top Layer w0.152: U3.16@49.824,33.274 49.824,31.837 50.8,30.861 53.04,30.861 53.395,31.217 55.218,31.217 57.084,33.083 58.138,33.083 59.512,34.457 62.215,34.457 62.81,35.052 R5.4
SCK_sx: U1.16 U3.26 | length 10.9
  Top Layer w0.152: U3.26 v1(57.404,35.871) ; v1@57.531,37.371 57.726,37.176 61.727,37.176 62.508,37.957 62.508,38.826 63.044,39.362 U1.16
  Bottom Layer w0.152: v1(57.404,35.871) v1(57.404,37.465)
SWCLK: "G D C.1" U3.37 | length 4.9
  Top Layer w0.152: U3.37 53.824,43.434 54.7,44.31 56.756,44.31 57.15,44.704
SWDIO: "G D C.2" U3.34 | length 10.8
  Top Layer w0.152: U3.34 56.82,39.871 56.98,40.032 58.081,40.032 58.215,40.166 58.215,41.15 58.114,41.251 58.114,42.698 58.269,42.853 58.269,43.253 58.145,43.377 58.145,43.676 58.229,43.759 58.229,46.165 57.15,47.244
VCC_5V: E2.1 L7.2 R8.2 S0.5 S1.5 SERVO.1 SERVO.3 SERVO.5 SERVO.7 SERVO.9 SERVO.11 SERVO.13 SERVO.15 U4.10 V2.3 | length 108.4
  Top Layer w0.254: v1(27.178,30.607) 27.178,30.289 26.684,29.795 26.684,27.843 28.238,26.289 34.914,26.289 37.714,29.088 S0.5
  Top Layer w0.508: L7.2 29.059,33.806 30.074,32.791 30.648,32.791 31.436,32.004 R8.2 31.994,31.491 31.994,31.455 32.232,31.217 33.33,31.217 33.381,31.267 33.436,31.267 33.487,31.217 35.585,31.217 S0.5@37.714,29.088 ; S0.5 40.005,30.861 E2.1
  Top Layer w0.762: S0.5 40.259,26.543 51.531,26.543 52.971,27.982 52.971,28.333 S1.5 56.896,28.829 SERVO.15 SERVO.13 SERVO.11 SERVO.9 SERVO.7 SERVO.5 SERVO.3 SERVO.1
  Bottom Layer w0.254: v1@27.051,30.734 v1(27.178,30.607) U4.10 ; V2.3 50.367,44.072 50.367,44.332 51.869,45.833 59.008,45.833 60.859,43.982 60.859,40.045 60.833,40.018 60.833,39.388 62.678,37.543 66.627,37.543 66.755,37.415 67.29,37.415 68.352,36.353 68.352,35.847 67.919,35.413 67.919,33.554 68.961,32.512 68.961,30.734 SERVO.5
VCC_12V: C32.1 Power_IN.2 R11.1 U6.7 V1.3 | length 71.8
  Top Layer w0.508: v1(30.734,39.37) 30.681,39.423 30.681,44.126 30.734,44.126 V1.3 ; v1(34.417,36.195) 34.544,36.068 U6.7 ; v1(40.132,28.448) 41.021,27.559 51.434,27.559 52.183,28.309 52.183,29.322 53.595,30.734 70.738,30.734 71.501,31.497 71.501,33.528 ; C32.1 69.088,35.545 R11.1 ; 69.411,34.544 R11.1 ; Power_IN.2 73.152,33.528 71.501,33.528 ; R11.1 70.089,34.178 70.739,33.528 71.501,33.528
  Bottom Layer w0.508: v1(30.734,39.37) 31.358,38.746 31.358,37.608 32.27,36.697 32.908,36.697 33.242,36.363 34.249,36.363 v1(34.417,36.195) 34.417,35.814 36.717,33.514 36.717,28.309 37.453,27.573 39.257,27.573 v1(40.132,28.448)
VDD: C3.2 C9.2 C18.2 C19.2 C23.2 C27.2 C28.2 C29.2 C33.1 R3.2 U1.3 U1.14 U1.24 U2.6 U3.9 U3.24 U3.36 U3.48 U5.8 V2.2 | length 116.6
  Top Layer w0.152: R3.2 40.259,40.039 40.259,41.91 40.742,42.393 U3.48@48.324,42.393 ; C29.2 46.833,43.434 48.133,43.434 48.324,43.243 U3.48@48.324,42.393 ; U3.9 48.555,36.871 v1(48.725,37.041) ; U3.48 U3.48@48.324,42.393 ; v1@50.673,35.447 v1(50.786,35.56) 51.614,36.387 52.27,36.387 52.461,36.578 52.862,36.578 52.991,36.449 53.722,36.449 53.824,36.347 U3.24 54.093,34.163 C28.2 ; C27.2@57.404,40.67 57.404,40.871 57.176,40.871 56.956,41.091 56.556,41.091 56.336,40.871 U3.36 55.88,41.475 v1(55.88,41.656) 57.482,41.656 v1(57.529,41.609) ; U2.6 72.375,49.085 72.874,49.584 72.874,50.336 C9.2
  Top Layer w0.254: R3.2 41.929,38.368 41.929,37.577 42.459,37.047 v1(43.307,37.047) ; C29.2 46.68,43.658 v1(47.498,44.476) ; C33.1 49.855,49.044 53.594,45.305 v1(53.594,45.085) 54.102,45.593 v1(54.102,47.07) ; C23.2 60.325,40.83 v1(60.325,40.266) 60.815,40.266 ; U1.14 61.163,40.266 60.815,40.266 ; v1(61.595,39.486) 60.815,40.266 ; v1@63.044,49.276 63.298,49.022 64.516,49.022 ; U1.3 64.994,45.943 64.749,46.188 64.4,46.188 64.135,46.453 64.135,48.641 64.516,49.022 ; v1(66.976,37.95) 68.021,38.995 68.021,39.983 68.442,40.404 68.819,40.404 68.982,40.567 68.982,41.376 C18.2@68.576,41.783 ; U1.24 67.308,41.783 C18.2 C18.2@68.576,41.783 ; C19.2 69.212,41.783 C18.2@68.576,41.783 ; U2.6 71.92,48.067 70.163,49.824 67.096,49.824 C3.2 64.516,49.022
  Bottom Layer w0.152: v1(43.307,37.047) 43.852,37.047 44.069,36.83 47.795,36.83 47.983,37.018 47.96,37.041 v1(48.725,37.041) 49.495,37.041 49.887,36.649 U5.8@49.887,34.66 ; U5.8 49.784,34.558 U5.8@49.887,34.66 ; v1(50.786,35.56) U5.8@49.887,34.66
  Bottom Layer w0.254: v1(47.498,44.476) 48.252,44.476 49.295,43.434 49.295,42.906 49.529,42.672 50.546,42.672 50.774,42.9 50.774,44.163 51.314,44.704 51.692,44.704 V2.2 ; v1(53.594,45.085) 53.337,45.085 V2.2 ; v1@54.22,47.253 55.621,48.655 57.618,48.655 58.192,49.229 v1(63.074,49.229) ; v1(55.88,41.656) 53.848,41.656 52.324,43.18 V2.2 ; v1(57.529,41.609) 57.531,41.606 59.259,41.606 60.325,40.541 v1(60.325,40.266) v1@60.424,40.365 ; v1@61.595,39.501 65.191,39.501 66.742,37.95 v1(66.976,37.95)
pads on no net: JP_FIR.0 U1.13 U1.21 U1.22 U1.28 U3.1 U6.2 V1.4 V2.4

## Polygon pours and split planes (outlines as drawn)
GND on Bottom Layer "Bottom Layer-GND" (solid, remove dead copper, pour order 6): 25.4,51.562 77.597,51.562 77.597,25.4 25.4,25.4
GND on Top Layer "Top Layer-GND" (solid, remove dead copper, pour order 2): 25.4,51.562 77.597,51.562 77.597,25.4 25.4,25.4

## Keep-outs
Keep-Out Layer:
  lines w0.254: 25.4,25.4 25.4,51.562 77.597,51.562 77.597,25.4 25.4,25.4

## Silkscreen, mask and mechanical layers (free items; w line width, h text height)
Top Overlay:
  text "CUBE-RE" at 57.912,36.83 h2.52
  text "V3.30" at 57.912,34.813 h2.52
  text "169Mhz" at 58.039,33.774 h0.76
Bottom Overlay:
  text "CUBE-RE V3.30" at 71.882,35.56 h1.02
  text "GIES 20200622" at 71.882,34.036 h1.02

## Text inside footprints (layer, text, board x,y; h text height)
SERVO: Top Overlay "-" at 77.343,27.432 h1.02 r180; Top Overlay "+" at 77.343,29.845 h1.02 r180